# Altium PCB Notecarrier AF.PcbDoc (part 1 of 3)
Units mm, origin at the board's own origin, x right, y up, seen from the top; angles counter-clockwise.
Board outline 76.25 x 103 mm, 4 copper layers (Top Layer, Ground Plane, Power Plane, Bottom Layer), stack 1.43 mm thick; 84 components, 89 nets, 445 pads, 436 vias.
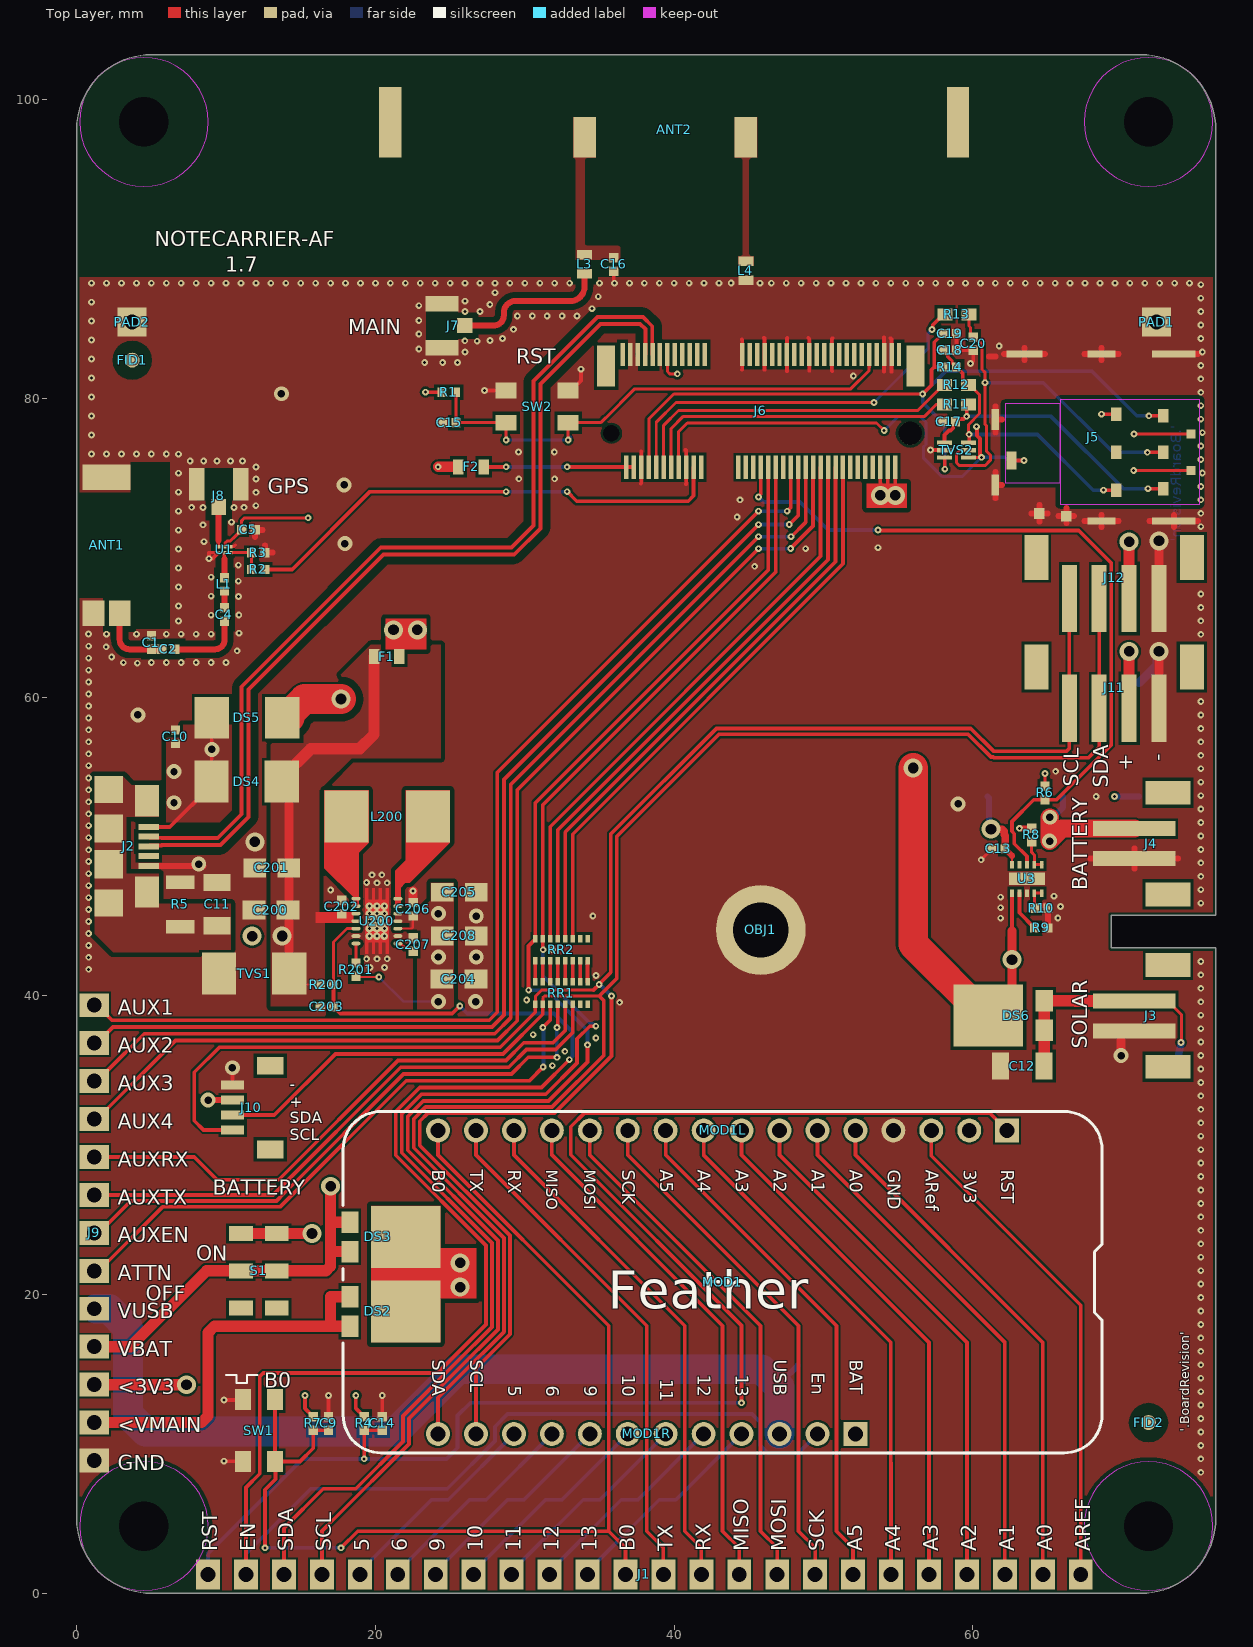
[diagram p0: Top Layer view]
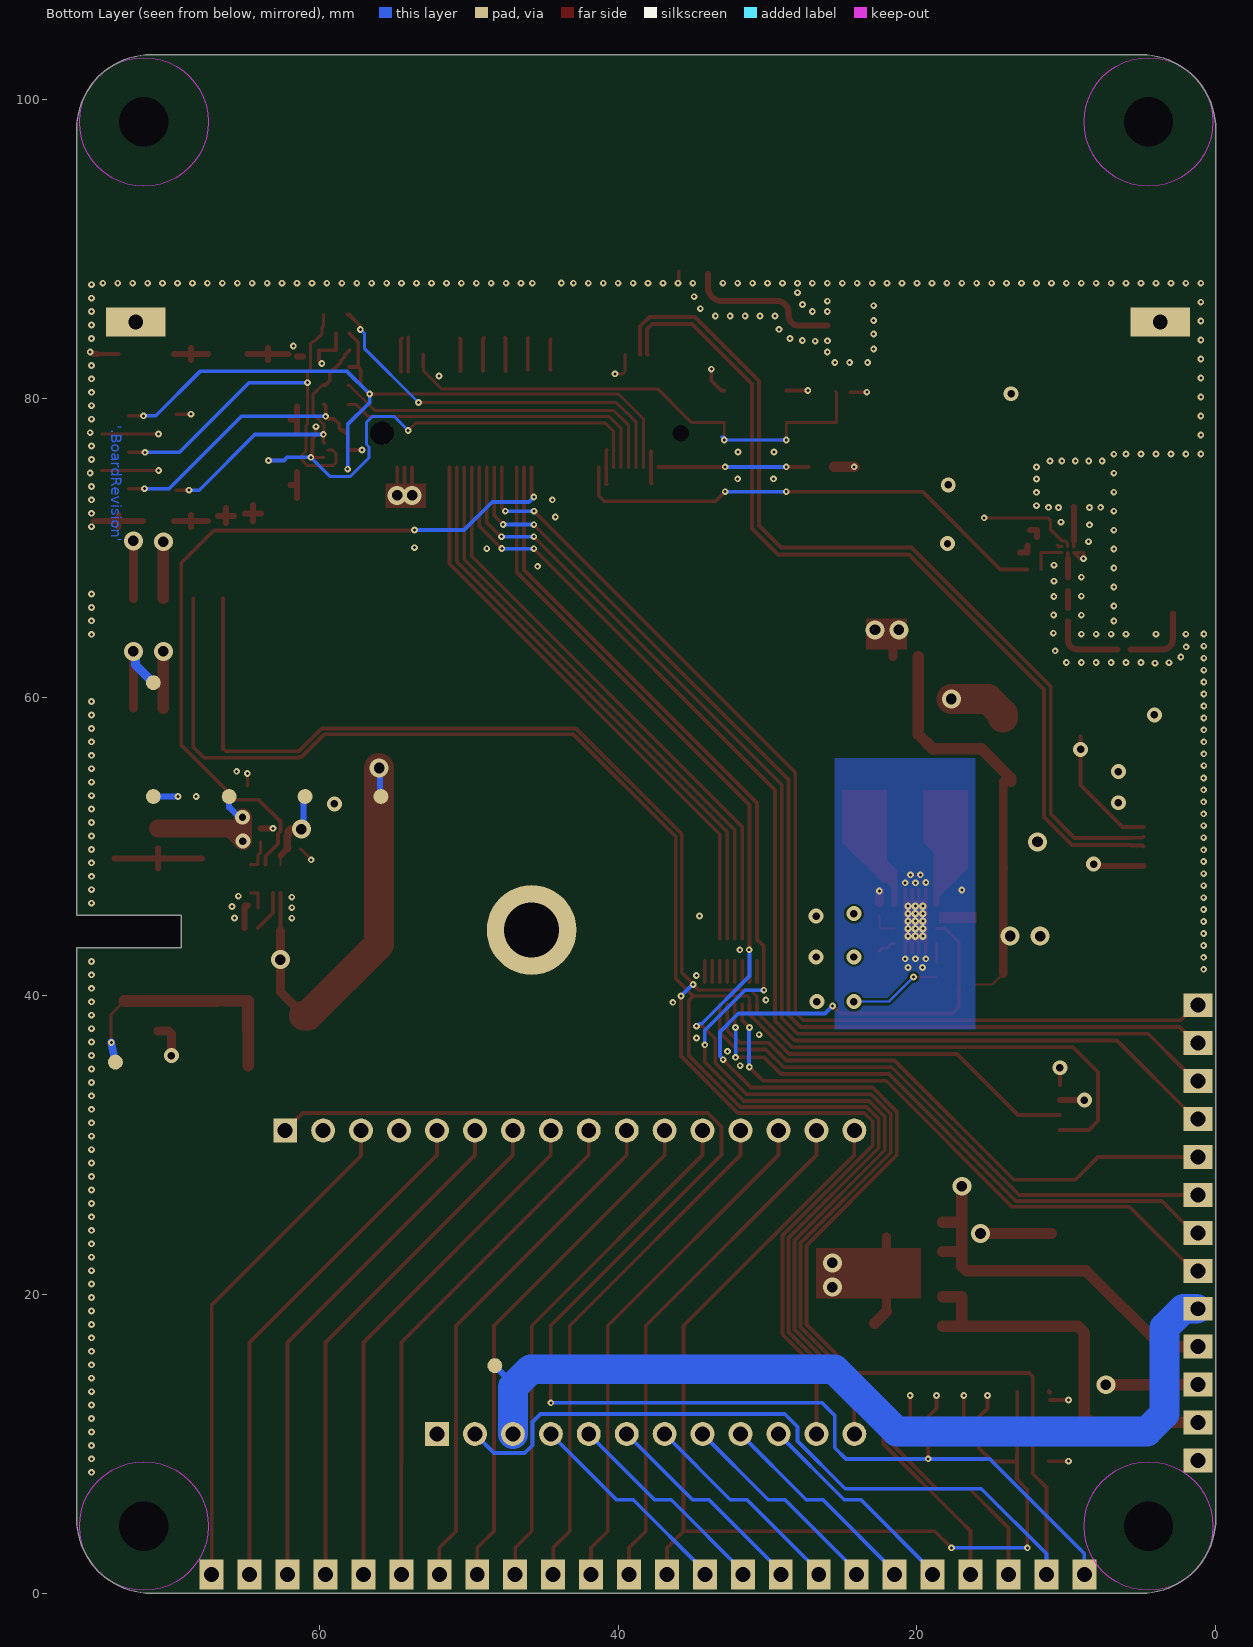
[diagram p1: Bottom Layer view, seen from below]
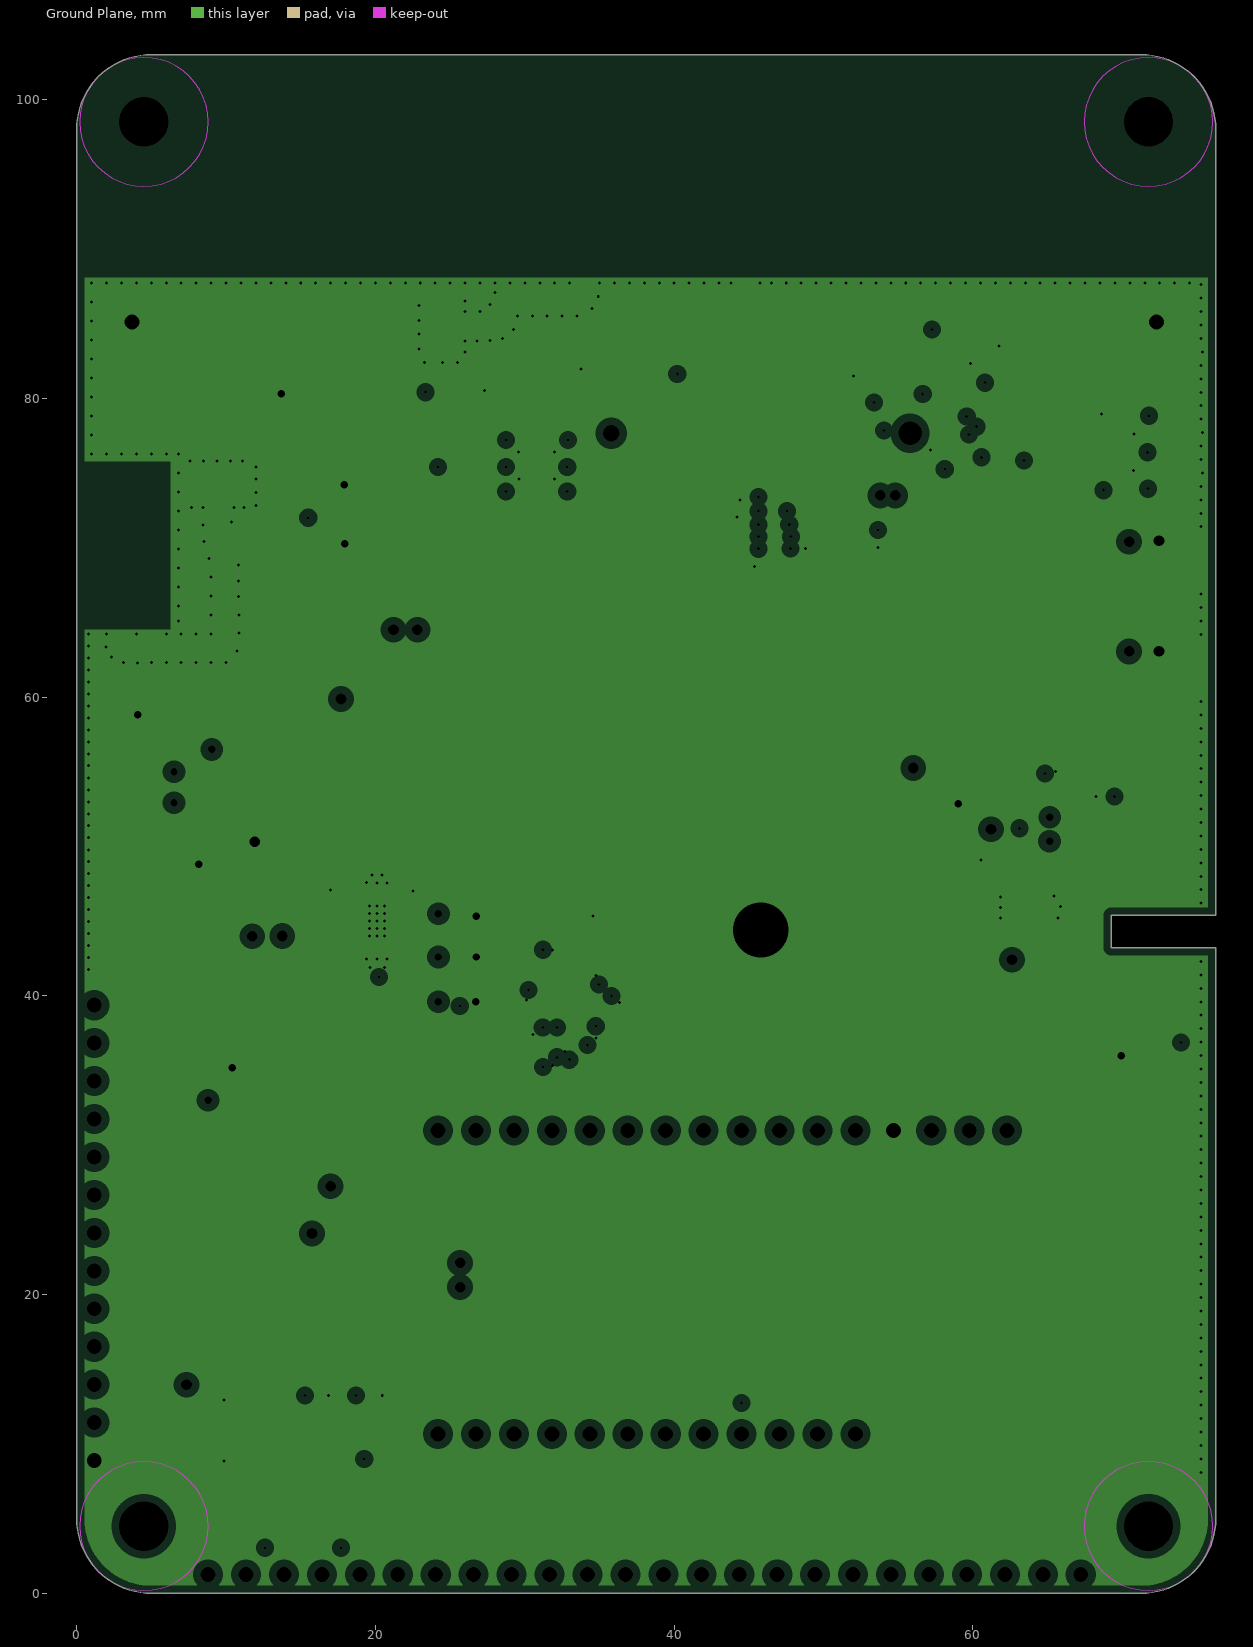
[diagram p2: Ground Plane, clearances drawn from the general rule]
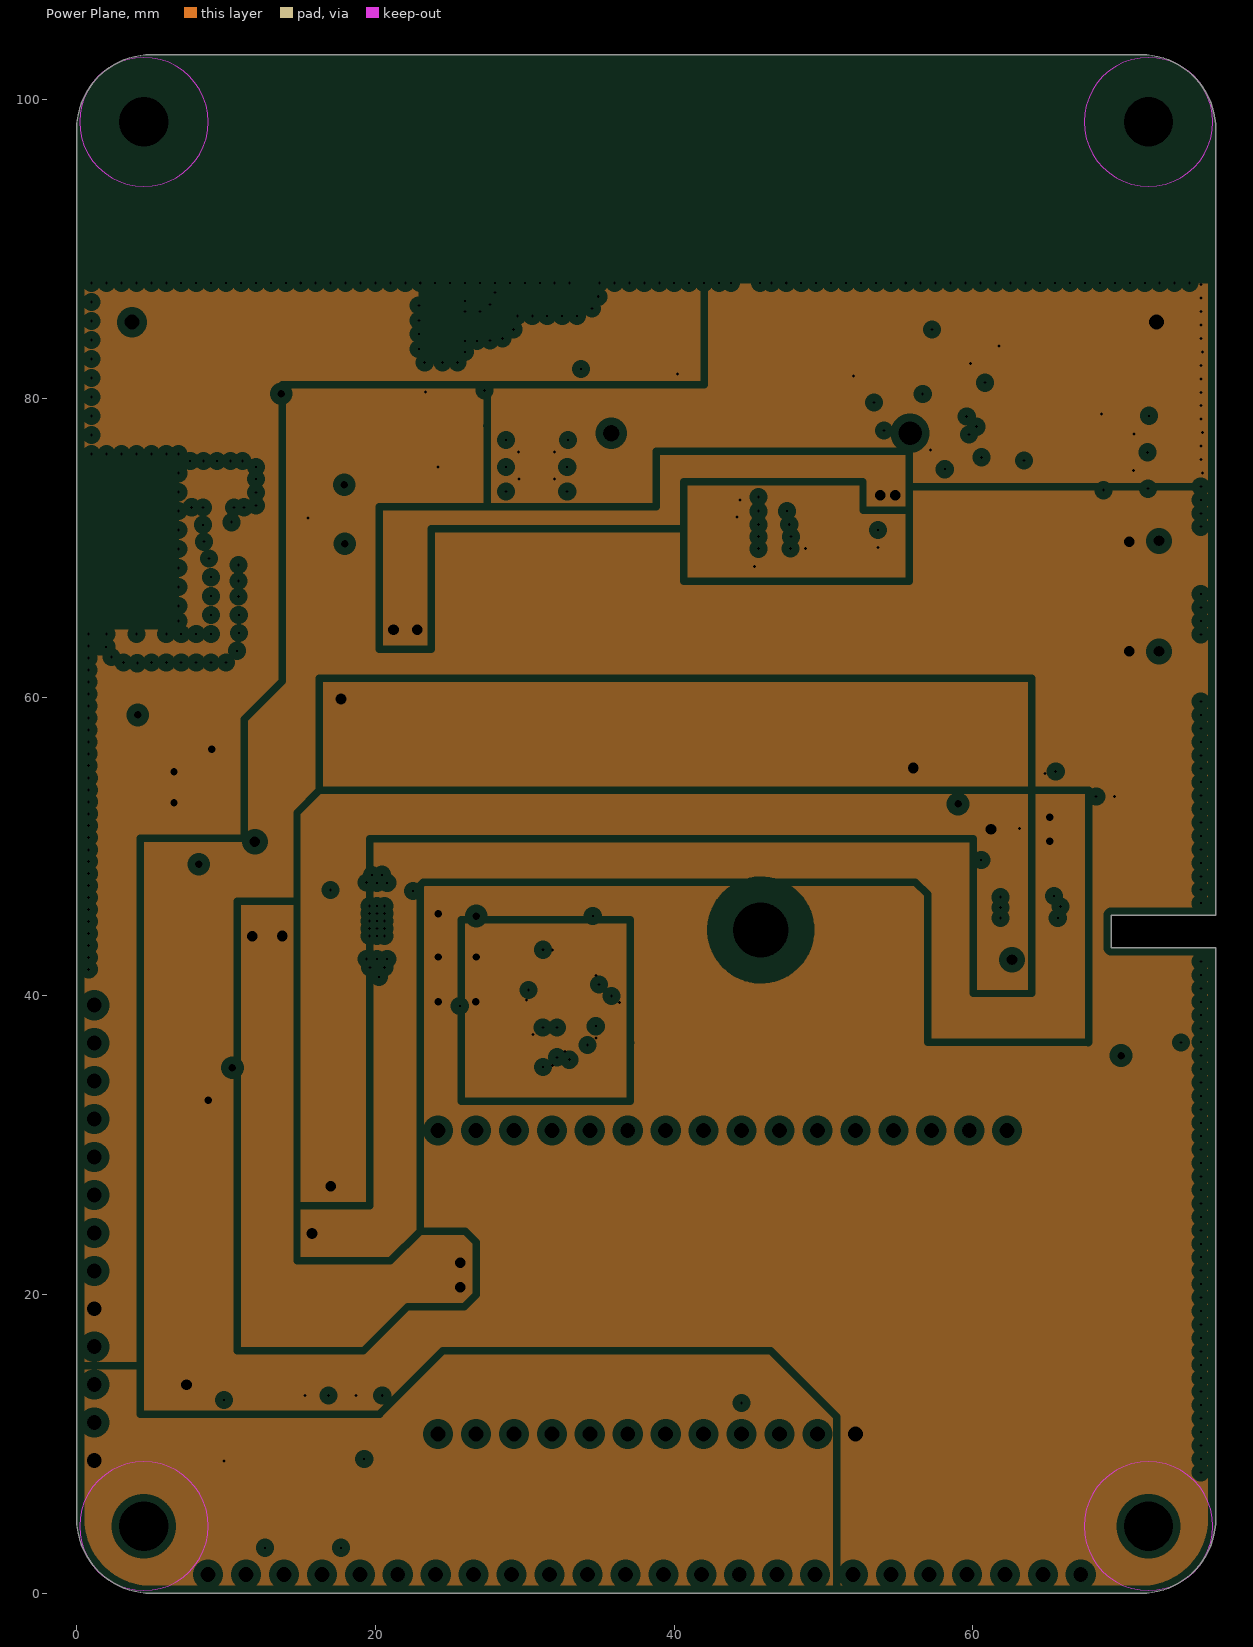
[diagram p3: Power Plane, clearances drawn from the general rule]
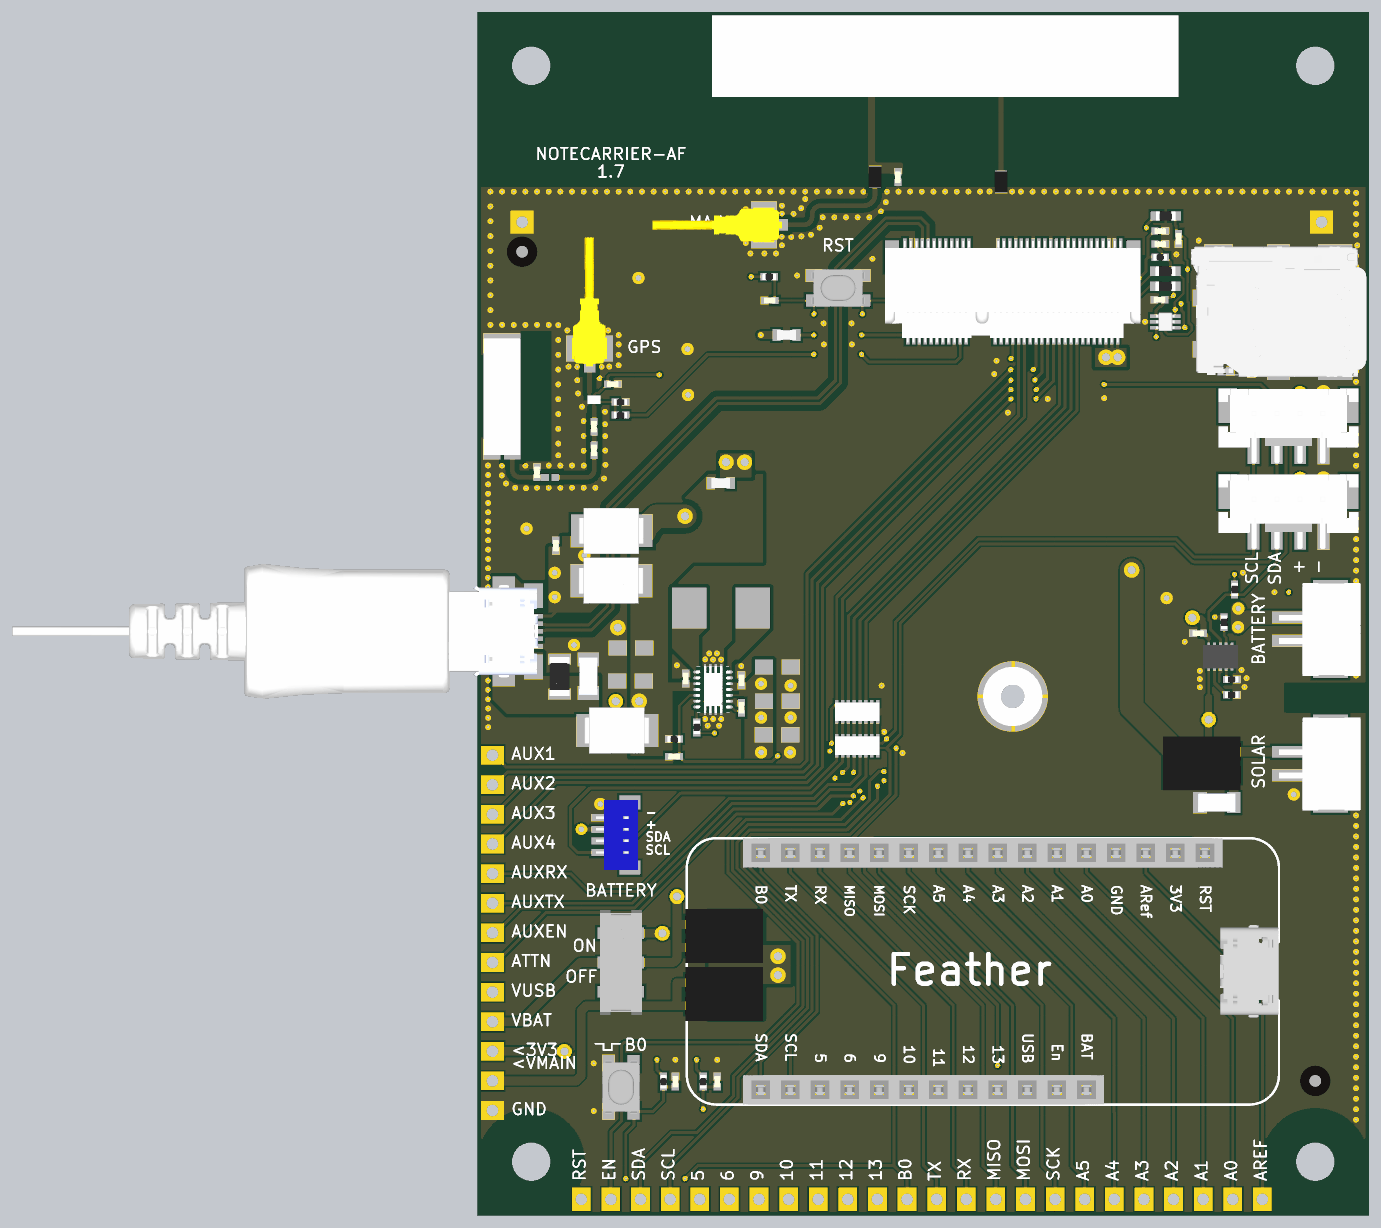
[diagram p6: 3D render of the assembled board from above, using the file's embedded part models]

## Layer stack, top to bottom
Top Solder: solder mask 0.01, Solder Resist, Dk 3.5
Top Layer: signal copper 0.035
Dielectric 1: prepreg 0.198, FR-4, Dk 4.9
Ground Plane: plane copper 0.035, net GND
Dielectric 3: core 0.894, FR-4, Dk 3.96
Power Plane: plane copper 0.0353, net (Multiple Nets)
Dielectric 4: prepreg 0.198, FR-4, Dk 4.9
Bottom Layer: signal copper 0.035
Bottom Solder: solder mask 0.01, Solder Resist, Dk 3.5

## Board outline
0,5 0,98 cw(c5,98) 5,103 71.25,103 cw(c71.25,98) 76.25,98 76.25,45.4 69.25,45.4 69.25,43.2 76.25,43.2 76.25,5 cw(c71.25,5) 71.25,0 5,0 cw(c5,5)

## Design rules (kind name [scope] priority, off if disabled: settings)
BoardOutlineClearance BoardOutlineClearance_1 [InComponent('PAD1') or InComponent('PAD2')] p1: gap=0 ignorepadtopadclearanceinfootprint=FALSE // Overhanging pad for castellation
BoardOutlineClearance BoardOutlineClearance_INNER [OnPlane] p2: gap=0.508 ignorepadtopadclearanceinfootprint=FALSE // Inner layers board clearance
BoardOutlineClearance [OnCopper] p3: gap=0.2 ignorepadtopadclearanceinfootprint=FALSE
Clearance Clearance_RF [InNetClass('RF')] p1: gap=0.4 ignorepadtopadclearanceinfootprint=TRUE except(0.15: Arc-Arc Arc-Track Arc-SMDPad Arc-THPad Arc-Via Track-Track Track-SMDPad Track-THPad Track-Via SMDPad-SMDPad SMDPad-THPad SMDPad-Via THPad-THPad THPad-Via Via-Via; 0.3: Arc-Hole Track-Hole SMDPad-Hole THPad-Hole Via-Hole Fill-Hole Poly-Hole Region-Hole Text-Hole; 0.45: SMDPad-Text THPad-Text Via-Text Fill-Fill Fill-Poly Fill-Region Fill-Text Poly-Poly Poly-Region Poly-Text Region-Region Region-Text Text-Text)
Clearance Clearance_usb [InDifferentialPair('D') vs NOT InDifferentialPair('D')] p2: gap=0.3 ignorepadtopadclearanceinfootprint=TRUE except(0.2: Arc-SMDPad Track-SMDPad; 0.35: Arc-Arc Arc-Track Track-Track; 0.5: Arc-Fill Arc-Poly Arc-Region Track-Fill Track-Poly Track-Region)
Clearance Clearance_Power [InNetClass('Power') vs InNetClass('Power')] p3: gap=0.15 ignorepadtopadclearanceinfootprint=FALSE except(0.14: SMDPad-SMDPad; 0.3: SMDPad-Fill SMDPad-Poly SMDPad-Region THPad-Fill THPad-Poly THPad-Region Via-Fill Via-Poly Via-Region; 0.5: Arc-Fill Arc-Poly Arc-Region Track-Fill Track-Poly Track-Region Fill-Fill Fill-Poly Fill-Region Poly-Poly Poly-Region Region-Region) // Power-to-power
Clearance [All] p4: gap=0.15 ignorepadtopadclearanceinfootprint=FALSE except(0.14: SMDPad-SMDPad; 0.2: SMDPad-Fill SMDPad-Poly SMDPad-Region; 0.3: Fill-Fill Fill-Poly Fill-Region Poly-Poly Poly-Region Region-Region)
ComponentClearance ComponentClearance_Feather [InComponent('MOD1') vs InComponent('MOD1L')] p1: gap=0 collisioncheckmode=3 verticalgap=0 showdistances=FALSE
ComponentClearance ComponentClearance_Feather_1 [InComponent('MOD1') vs InComponent('MOD1R')] p2: gap=0 collisioncheckmode=3 verticalgap=0 showdistances=FALSE
ComponentClearance ComponentClearance_FID [HasFootprint('FIDUCIAL')] p3: gap=0 collisioncheckmode=3 verticalgap=0 showdistances=FALSE // Fiducials
ComponentClearance ComponentClearance_Notecard [(Identifier='Notecard Slug')] p4: gap=0 collisioncheckmode=3 verticalgap=0 showdistances=FALSE
ComponentClearance ComponentClearance_Default [All] p5: gap=0.2 collisioncheckmode=3 verticalgap=0.254 showdistances=FALSE
DiffPairsRouting [All] p1: maxlimit=0.2 minlimit=0.2 mostfreqgap=0.2 toplayer_minwidth=0.26 toplayer_maxwidth=0.26 toplayer_prefwidth=0.26 bottomlayer_minwidth=0.26 bottomlayer_maxwidth=0.26 bottomlayer_prefwidth=0.26 impedanceprofiledriven=TRUE maxuncoupledlength=12.7
HoleSize [All] p1: absolutevalues=TRUE maxlimit=3.7 minlimit=0.025 maxpercent=80.000 minpercent=20.000
MaxMinImpedance "Schematic Impedance Constraint_1" [InNetClass('RF')] p1: minimum=45.00 maximum=55.00
MinimumAnnularRing [All] p1: minimumring=0.12
MinimumSolderMaskSliver [All] p1: minsoldermaskwidth=0.102
PlaneClearance [All] p1: clearance=0.508
PlaneConnect [All] p1: planeconnectstyle=Direct reliefexpansion=0.508 reliefentries=4 reliefconductorwidth=0.254 reliefairgap=0.254
PolygonConnect [All] p1: connectstyle=Direct reliefconductorwidth=0.254 reliefentries=4 polygonreliefangle="90 Angle" airgapwidth=0.254
RoomDefinition LNA_50 [InComponentClass('LNA')] p1: confinementstyle=ConfineIn formatcopy=TRUE lockcomponents=FALSE outline 8.942,69.111 8.942,70.611 10.842,70.611 10.842,69.111 // 50 ohm trace neckdown for LNA
RoomDefinition "00 - REVISION" [InComponentClass('00 - REVISION')] p2: confinementstyle=ConfineIn formatcopy=TRUE lockcomponents=FALSE outline 2.25,10 73.25,10 73.25,84 2.25,84
RoomDefinition "02 - POWER" [InComponentClass('02 - POWER')] p3: confinementstyle=ConfineIn formatcopy=TRUE lockcomponents=FALSE outline -40.2,7.875 75.95,7.875 75.95,86.375 -40.2,86.375
RoomDefinition "03 - CONNECTOR" [InComponentClass('03 - CONNECTOR')] p4: confinementstyle=ConfineIn formatcopy=TRUE lockcomponents=FALSE outline -0.225,-0.05 76.8,-0.05 76.8,103.2 -0.225,103.2
RoutingVias [All] p1: holewidth=0.5 width=1 viastyle="Through Hole" minholewidth=0.2 minwidth=0.45 maxholewidth=0.711 maxwidth=1.27
SilkToSilkClearance [All] p1: silktosilkclearance=0.127
SilkToSolderMaskClearance [IsPad] p1: minsilkscreentomaskgap=0.1 clearancetoexposedcopper=TRUE
SolderMaskExpansion [All] p1: expansion=0.025 istentingtop=FALSE
Width RF_LNA [InNetClass('RF') and TouchesRoom('LNA_50')] p1: maxlimit=0.4 minlimit=0.23 preferedwidth=0.4 minimp=50.000000 maximp=50.000000 favimp=50.000000 // RF LNA section, allow neck-down
Width RF [InNetClass('RF')] p2: maxlimit=0.4 minlimit=0.4 preferedwidth=0.4 minimp=50.000000 maximp=50.000000 favimp=50.000000 // RF
Width "Schematic Width Constraint" [InNetClass('Power')] p3: maxlimit=2 minlimit=0.15 preferedwidth=0.4 minimp=50.000000 maximp=50.000000 favimp=50.000000
Width [All] p4: maxlimit=0.6 minlimit=0.2 preferedwidth=0.25 minimp=50.000000 maximp=50.000000 favimp=50.000000
22 further rules are at their usual default settings.

## Classes and differential pairs
component class LNA: U1
net class RF: NetANT1_1 NetANT2_2 NetC2_1 NetC4_1 NetJ7_1 NetJ8_1 NetL1_1
net class Power: +1V8 +3V3 BATPOS V+ VBAT VBUS+SOLAR VMAIN VSOLAR VUSB
component class "03 - CONNECTOR": ANT1 ANT2 ASS2 ASS3 C1 C2 C4 C5 C9 C14 C15 C16 C17 C18 C19 C20 F1 F2 J1 J5 J6 J7 J8 J10 J11 J12 L1 L3 L4 MOD1 MOD1L MOD1R R1 R2 R3 R4 R7 R11 R12 R13 R14 RR1 RR2 SW1 SW2 TVS2 U1
component class "02 - POWER": C7 C8 C10 C11 C12 C13 C200 C201 C202 C203 C204 C205 C206 C207 C208 DS2 DS3 DS4 DS5 DS6 J2 J3 J4 J9 L200 PAD1 PAD2 R5 R6 R8 R9 R10 R200 R201 S1 TVS1 U3 U200
component class "00 - REVISION": ASS1 CS1 FID1 FID2 OBJ1
differential pair D: +D_P -D_N
